# KiCad board Soldered Inkplate 6 FLICK.kicad_pcb (continued)
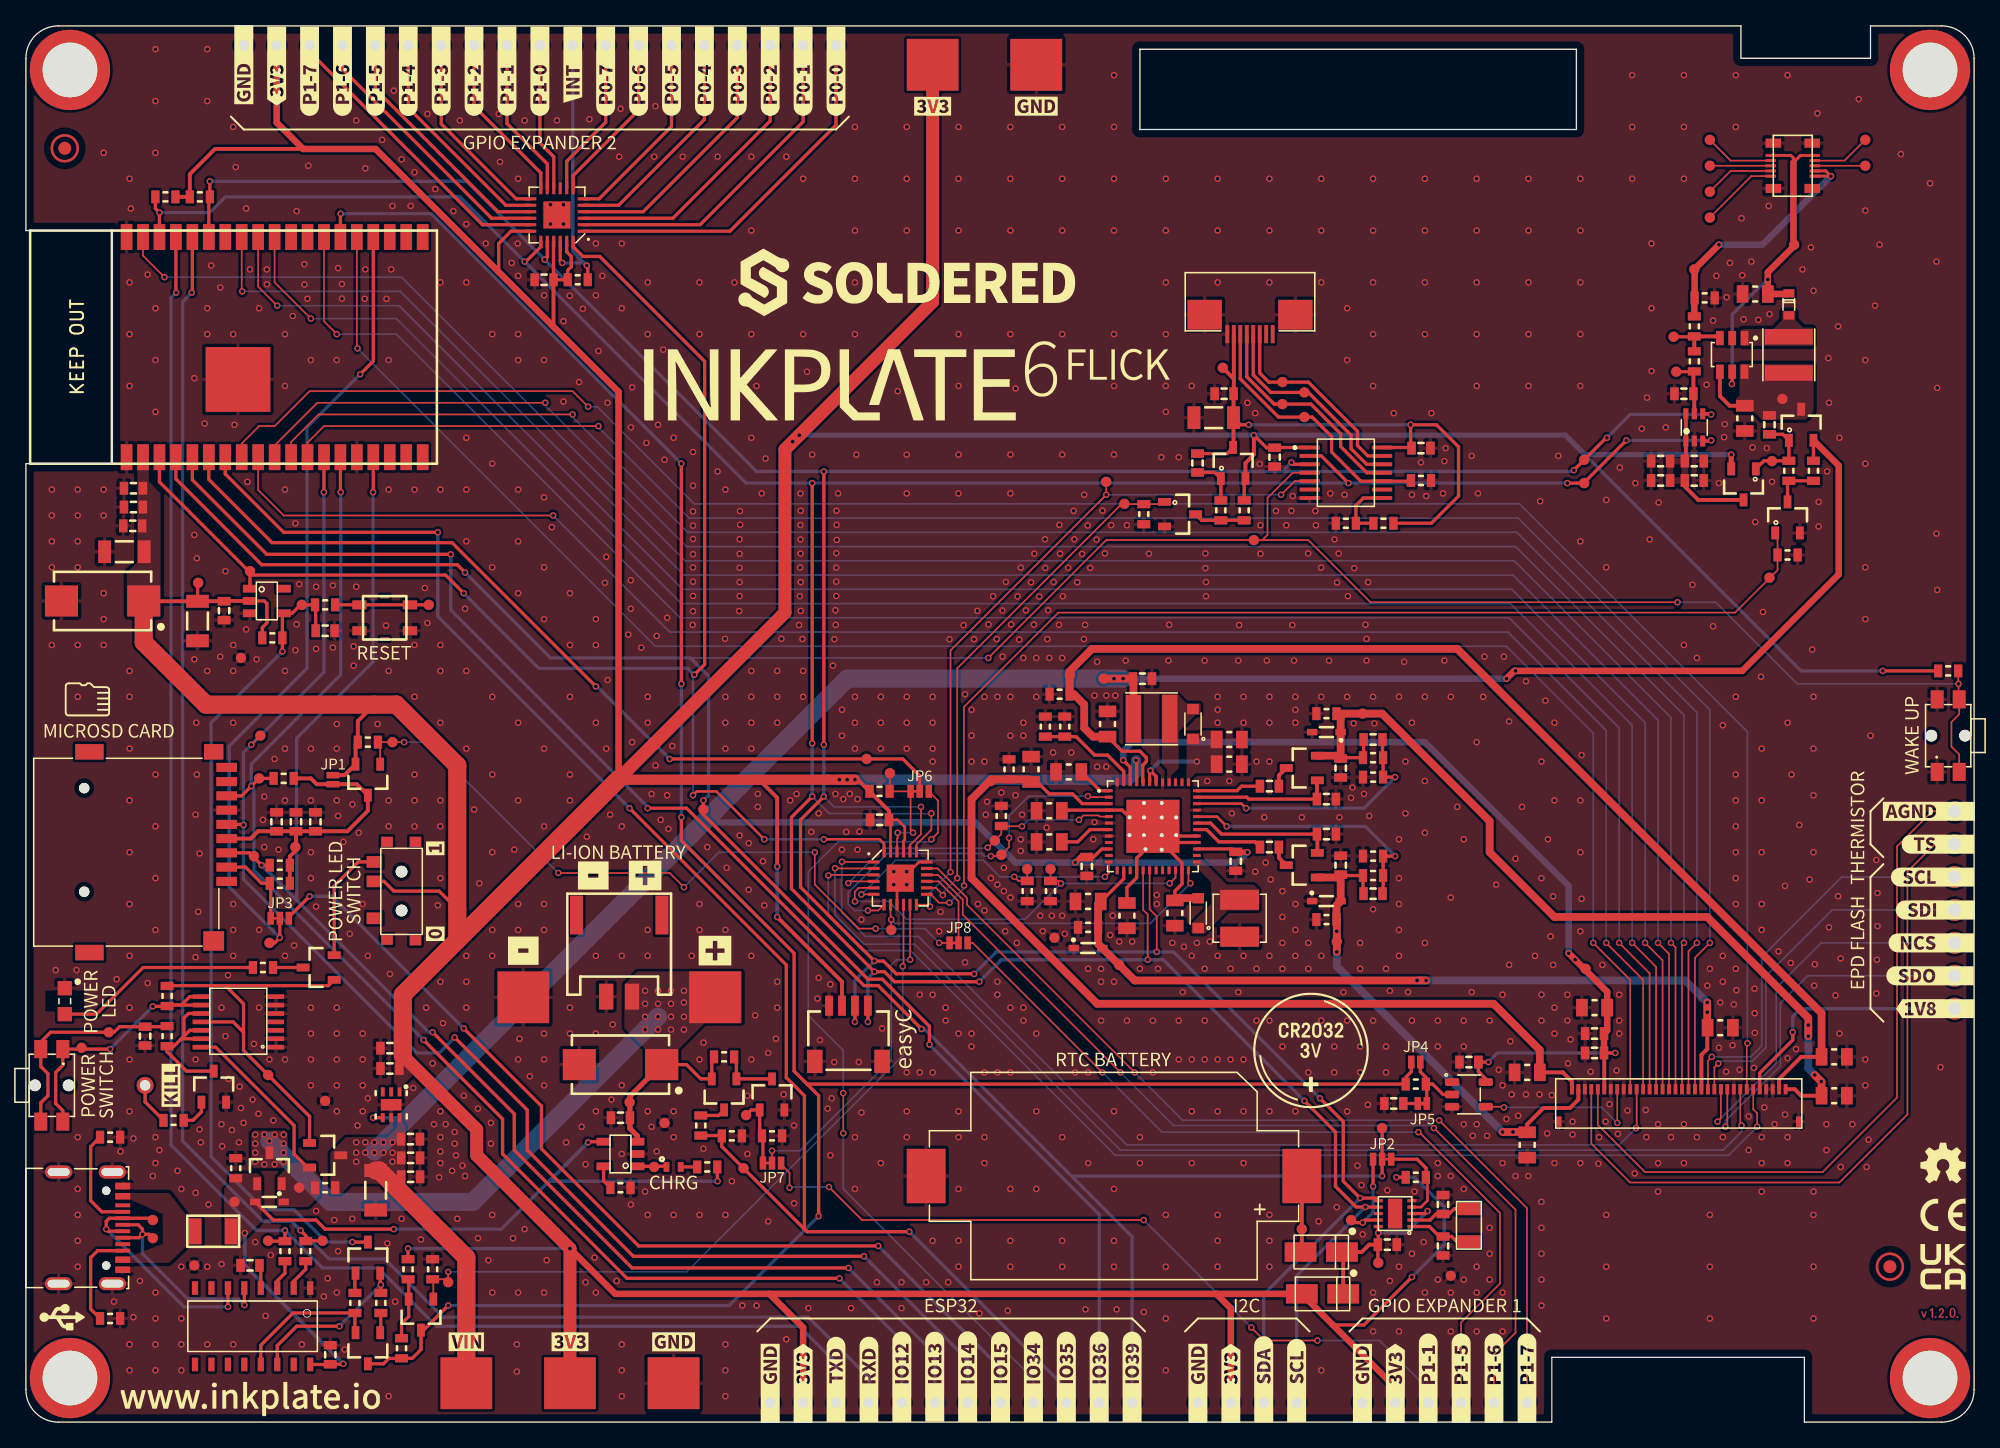
[diagram p0: board, top side]
## Footprints (pads in the part's own frame, mm; a bottom-side part is the same pattern mirrored in y, then rotated)
0402LED
  rect 0.45x0.75 smd: 1(-0.55,0) 2(0.55,0)
0603C
  rect 0.66x1 smd: 1(-0.73,0) 2(0.73,0)
0603R
  rect 0.64x1 smd: 1(-0.775,0) 2(0.775,0)
0805C
  rect 0.9x1.35 smd: 1(-0.975,0) 2(0.975,0)
1206C
  rect 1x1.75 smd: 1(-1.525,0) 2(1.525,0)
1206FUSE
  rect 1x2 smd: 1(-1.4,0) 2(1.4,0)
1515L
  rect 1.55x3 smd: 1(-1.425,0) 2(1.425,0)
2917C
  rect 2.55x2.4 smd: 1(-3.175,0) 2(3.175,0)
ABS07AIG-32.768KHZ-7-D-T
  rect 1x1.8 smd: 1(-1.275,0) 2(1.275,0)
AXT310124
  rect 0.23x0.8 smd: 1(-0.8,-1.7) 2(-0.8,1.7) 3(-0.4,-1.7) 4(-0.4,1.7) 5(0,-1.7) 6(0,1.7) 7(0.4,-1.7) 8(0.4,1.7) 9(0.8,-1.7) 10(0.8,1.7)
  rect 0.7x1.2 smd: 11(-1.75,1.5) 11(-1.75,-1.5) 11(1.75,1.5) 11(1.75,-1.5)
CR2032-BS-6-1
  rect 3x4.2 smd: +(14.5,0) -(-14.5,0)
easyC-connector
  rect 0.6x1.55 smd: 1(-1.5,-2.15) 2(-0.5,-2.15) 3(0.5,-2.15) 4(1.5,-2.15)
  rect 1.2x1.8 smd: 5(-2.6,2.15) 5(2.6,2.15)
ESP32-WROVER
  rect 2x0.9 smd: 1(-8.5,11.43) 2(-8.5,10.16) 3(-8.5,8.89) 4(-8.5,7.62) 5(-8.5,6.35) 6(-8.5,5.08) 7(-8.5,3.81) 8(-8.5,2.54) 9(-8.5,1.27) 10(-8.5,0) 11(-8.5,-1.27) 12(-8.5,-2.54) 13(-8.5,-3.81) 14(-8.5,-5.08) 15(-8.5,-6.35) 16(-8.5,-7.62) 17(-8.5,-8.89) 18(-8.5,-10.16) 19(-8.5,-11.43) 20(8.5,-11.43) 21(8.5,-10.16) 22(8.5,-8.89) 23(8.5,-7.62) 24(8.5,-6.35) 25(8.5,-5.08) 26(8.5,-3.81) 27(8.5,-2.54) 28(8.5,-1.27) 29(8.5,0) 30(8.5,1.27) 31(8.5,2.54) 32(8.5,3.81) 33(8.5,5.08) 34(8.5,6.35) 35(8.5,7.62) 36(8.5,8.89) 37(8.5,10.16) 38(8.5,11.43)
  rect 5x5 smd: 39(-2.5,2.83)
FH34SRJ-34S-0.5SH(50)
  rect 0.3x0.8 smd: 1(-8.25,0) 2(-7.75,0) 3(-7.25,0) 4(-6.75,0) 5(-6.25,0) 6(-5.75,0) 7(-5.25,0) 8(-4.75,0) 9(-4.25,0) 10(-3.75,0) 11(-3.25,0) 12(-2.75,0) 13(-2.25,0) 14(-1.75,0) 15(-1.25,0) 16(-0.75,0) 17(-0.25,0) 18(0.25,0) 19(0.75,0) 20(1.25,0) 21(1.75,0) 22(2.25,0) 23(2.75,0) 24(3.25,0) 25(3.75,0) 26(4.25,0) 27(4.75,0) 28(5.25,0) 29(5.75,0) 30(6.25,0) 31(6.75,0) 32(7.25,0) 33(7.75,0) 34(8.25,0)
  rect 0.4x0.8 smd: 35(-9.25,-2.5) 35(9.25,-2.5)
FIDUCIAL_23
  round 1 smd: 1(0,0)
HEADER_MALE_1X1_Inkplate
  round 1.3 hole 0.8: 1(0,0)
HEADER_MALE_2X1
  round 1.524 hole 1: 1(-1.27,0) 2(1.27,0)
HEADER_MALE_5X1
  round 1.7 hole 1: 1(-5.08,0) 2(-2.54,0) 3(0,0) 4(2.54,0) 5(5.08,0)
HYC77-TF09-200
  round 0.8 hole 1 unplated: (-4.95,-5.5) (3.05,-5.5)
  rect 0.7x1.6 smd: 1(2.25,5.5) 2(1.15,5.5) 3(0.05,5.5) 4(-1.05,5.5) 5(-2.15,5.5) 6(-3.25,5.5) 7(-4.35,5.5) 8(-5.45,5.5) CD(-6.55,5.5)
  rect 1.2x2.2 smd: 12(7.75,-5.1) MNT(-7.75,-5.1)
  rect 1.2x1.5 smd: MNT(-7.75,4.5)
  rect 1.5x1.6 smd: MNT(6.85,4.5)
JST-2pin-SMD
  rect 1x3 smd: (-3.3,3.15) (3.3,3.15)
  rect 1.1x2 smd: 1(1,-3.15) 2(-1,-3.15)
K2-1114SA-A4SW-06
  round 0.9 hole 0.9 unplated: (0,1.3) (0,-1.3)
  rect 1.4x1 smd: 1(-2.8,0.85) 1(2.8,0.85) 2(-2.8,-0.85) 2(2.8,-0.85)
LTST-S270GKT
  rect 1.1x1.1 smd: 1(-1,0) 2(1,0)
M4_DIODA
  rect 2.45x1.5 smd: 1(-1.6,0) 2(1.6,0)
MCP47A1-SOT23-6
  rect 0.85x0.4 smd: 1(-1.05,0.65) 2(-1.05,0) 3(-1.05,-0.65) 4(1.05,-0.65) 5(1.05,0) 6(1.05,0.65)
NR4012
  rect 1.2x3.7 smd: 1(-1.4,0) 2(1.4,0)
PAD_4x4
  rect 4x4 smd: 1(0,0)
PCAL6416AHF,128
  rect 0.9x0.24 smd: 1(-2.05,1.25) 2(-2.05,0.75) 3(-2.05,0.25) 4(-2.05,-0.25) 5(-2.05,-0.75) 6(-2.05,-1.25) 13(2.05,-1.25) 14(2.05,-0.75) 15(2.05,-0.25) 16(2.05,0.25) 17(2.05,0.75) 18(2.05,1.25)
  rect 0.24x0.9 smd: 7(-1.25,-2.05) 8(-0.75,-2.05) 9(-0.25,-2.05) 10(0.25,-2.05) 11(0.75,-2.05) 12(1.25,-2.05) 19(1.25,2.05) 20(0.75,2.05) 21(0.25,2.05) 22(-0.25,2.05) 23(-0.75,2.05) 24(-1.25,2.05)
  rect 2.1x2.1 smd: 25(0,0)
PCF85063A
  rect 1.1x2.3 smd: (0,0)
  rect 0.7x0.25 smd: 1(-1.3,1) 2(-1.3,0.5) 3(-1.3,0) 4(-1.3,-0.5) 5(-1.3,-1) 6(1.3,-1) 7(1.3,-0.5) 8(1.3,0) 9(1.3,0.5) 10(1.3,1)
SFV8R-1STBE1HLF
  rect 0.3x1.4 smd: 1(-1.75,0) 2(-1.25,0) 3(-0.75,0) 4(-0.25,0) 5(0.25,0) 6(0.75,0) 7(1.25,0) 8(1.75,0)
  rect 2.65x2.3 smd: 9(-3.5,-1.5) 9(3.5,-1.5)
SK-3296S-01-L1
  rect 0.9x1.2 smd: 1(2.1,-2.1) 2(-0.75,-2.1) 3(-2.25,-2.1)
  round 0.9 hole 0.9: MH1(-1.5,0) MH2(1.5,0)
  rect 0.8x0.9 smd: MP1(-3.8,-1.125) MP2(3.75,-1.125) MP3(3.8,1.075) MP4(-3.8,1.075)
SMD-JUMPER-CONNECTED_TRACE_SOLDERMASK
  rect 0.5x1 smd: 1(-0.35,0) 2(0.35,0)
SMD_JUMPER
  rect 0.5x1 smd: 1(-0.35,0) 2(0.35,0)
SMD_JUMPER_3_PAD_CONNECTED_LEFT_TRACE
  rect 0.5x1 smd: 1(-0.7,0) 3(0.7,0)
  custom 0.5x1 smd: 2(0,0)
SN74LVC1G34DBV
  rrect 1.1x0.6 smd: 1(-1.3,0.95) 2(-1.3,0) 3(-1.3,-0.95) 4(1.3,-0.95) 5(1.3,0.95)
SOD-323
  rect 0.8x0.5 smd: 1(1.1,0) 2(-1.1,0)
SOD-323#2
  rect 0.8x0.5 smd: 1(-1.1,0) 2(1.1,0)
SOD-323-2
  rect 0.8x0.9 smd: 1(-1.15,0) 2(1.15,0)
SOD-523
  rect 0.85x0.65 smd: 1(0,-0.85) 2(0,0.85)
SOP-16
  rect 1.05x0.48 smd: 1(-2.95,4.445) 2(-2.95,3.175) 3(-2.95,1.905) 4(-2.95,0.635) 5(-2.95,-0.635) 6(-2.95,-1.905) 7(-2.95,-3.175) 8(-2.95,-4.445) 9(2.95,-4.445) 10(2.95,-3.175) 11(2.95,-1.905) 12(2.95,-0.635) 13(2.95,0.635) 14(2.95,1.905) 15(2.95,3.175) 16(2.95,4.445)
SOT26
  rect 0.6x1.1 smd: 1(-0.95,-1.3) 2(0,-1.3) 3(0.95,-1.3) 4(0.95,1.3) 5(0,1.3) 6(-0.95,1.3)
SOT-23-3
  rect 1x0.6 smd: 1(-1.2,0.95) 2(-1.2,-0.95) 3(1.2,0)
SOT-23-3#2
  rect 1x0.6 smd: 1(1.2,-0.95) 2(1.2,0.95) 3(-1.2,0)
SOT-23-5
  rect 1.1x0.6 smd: 1(-1.3,0.95) 2(-1.3,0) 3(-1.3,-0.95) 4(1.3,-0.95) 5(1.3,0.95)
Standoff_M3
  round 6.2 hole 4.22: (0,0)
Test_Point_SMD_0.8mm
  round 0.8 smd: TP(0,0)
TPS7A2633DRVR
  rect 0.7x0.3 smd: 1(-0.995,0.65) 2(-0.995,0) 3(-0.995,-0.65) 4(0.995,-0.65) 5(0.995,0) 6(0.995,0.65)
  rect 0.89x1.6 smd: 5(0,0)
TSSOP-14
  rect 1.26x0.36 smd: 1(-2.9,1.95) 2(-2.9,1.3) 3(-2.9,0.65) 4(-2.9,0) 5(-2.9,-0.65) 6(-2.9,-1.3) 7(-2.9,-1.95) 8(2.9,-1.95) 9(2.9,-1.3) 10(2.9,-0.65) 11(2.9,0) 12(2.9,0.65) 13(2.9,1.3) 14(2.9,1.95)
TXS0104EPWR
  rect 1.55x0.3 smd: 1(-2.8,1.95) 2(-2.8,1.3) 3(-2.8,0.65) 4(-2.8,0) 5(-2.8,-0.65) 6(-2.8,-1.3) 7(-2.8,-1.95) 8(2.8,-1.95) 9(2.8,-1.3) 10(2.79,-0.65) 11(2.8,0) 12(2.8,0.65) 13(2.8,1.3) 14(2.8,1.95)
U262-161N-4BVC11
  round 0.65 hole 0.65 unplated: (-2.913,-3.2) (2.862,-3.2)
  rect 0.3x1.15 smd: A1(3.337,-4.475) A4(2.537,-4.475) A5(1.237,-4.475) A6(0.237,-4.475) A7(-0.263,-4.475) A8(-1.263,-4.475) A9(-2.563,-4.475) A12(-3.338,-4.475) B1(-3.138,-4.475) B4(-2.363,-4.475) B5(-1.763,-4.475) B6(-0.763,-4.475) B7(0.737,-4.475) B8(1.737,-4.475) B9(2.337,-4.475) B12(3.112,-4.475)
  oval 1x2.1 hole 0.6x1.7: SH(-4.313,0.475) SH(-4.313,-3.675) SH(4.312,0.475) SH(4.312,-3.675)
VQFN-49
  rect 0.6x0.24 smd: 1(-3.4,2.75) 2(-3.4,2.25) 3(-3.4,1.75) 4(-3.4,1.25) 5(-3.4,0.75) 6(-3.4,0.25) 7(-3.4,-0.25) 8(-3.4,-0.75) 9(-3.4,-1.25) 10(-3.4,-1.75) 11(-3.4,-2.25) 12(-3.4,-2.75) 25(3.4,-2.75) 26(3.4,-2.25) 27(3.4,-1.75) 28(3.4,-1.25) 29(3.4,-0.75) 30(3.4,-0.25) 31(3.4,0.25) 32(3.4,0.75) 33(3.4,1.25) 34(3.4,1.75) 35(3.4,2.25) 36(3.4,2.75)
  rect 0.24x0.6 smd: 13(-2.75,-3.4) 14(-2.25,-3.4) 15(-1.75,-3.4) 16(-1.25,-3.4) 17(-0.75,-3.4) 18(-0.25,-3.4) 19(0.25,-3.4) 20(0.75,-3.4) 21(1.25,-3.4) 22(1.75,-3.4) 23(2.25,-3.4) 24(2.75,-3.4) 37(2.75,3.4) 38(2.25,3.4) 39(1.75,3.4) 40(1.25,3.4) 41(0.75,3.4) 42(0.25,3.4) 43(-0.25,3.4) 44(-0.75,3.4) 45(-1.25,3.4) 46(-1.75,3.4) 47(-2.25,3.4) 48(-2.75,3.4)
  round 0.5 hole 0.3: 49(-1.8,0.685) 49(-1.8,-0.685) 49(-0.685,1.8) 49(-0.685,0.685) 49(-0.685,-0.685) 49(-0.57,-1.78) 49(0.685,1.8) 49(0.685,0.685) 49(0.685,-0.685) 49(0.685,-1.8) 49(1.8,0.685) 49(1.8,-0.685)
  rect 4.1x4.1 smd: 49(0,0)
YTSA007A0151803B
  rect 0.7x0.25 smd: (0,1.625) (0,-1.625)
  rect 1.1x0.7 smd: 1(-1.95,1) 1(1.95,1) 2(-1.95,-1) 2(1.95,-1)

## Nets
3V3: C24.2 C25.2 C34.2 C35.2 C42.2 C65.2 C66.2 C67.2 C68.2 C69.2 C70.1 C71.2 D11.1 JP1.2 K2.3 K3.1 K17.1 K41.1 K51.1 PAD2.1 PAD3.1 Q10.2 Q12.2 Q13.2 R3.2 R4.2 R20.2 R29.2 R40.1 R41.2 R44.2 R47.2 R59.1 R60.1 S1.2 TP9.TP TP24.TP TP65.TP U1.45 U3.2 U5.1 U8.1 U13.21 U13.23 U14.2 U15.18 U15.21 U15.23
3V3-EINK: C55.2 C62.1 C63.1 C64.2 K15.6 TP35.TP U1.46 U12.5
3V3_MICROSD: C38.2 C39.2 C40.2 JP1.1 K9.4 Q10.3 R42.2 R43.2 R45.2 TP52.TP
3V3_RTC: C41.2 D11.2 D12.2 TP71.TP U7.3 U7.10
3V3_TOUCH: C43.2 C44.1 C45.1 C53.2 K12.7 Q12.3 R49.2 TP32.TP U8.14
/POWER/VDDH_D: C20.2 D7.1 U1.35
/POWER/VDDH_DRV: C19.1 U1.36
/POWER/VDDH_FB: C16.1 R13.1 R14.2 U1.34
/POWER/VEE_D: C21.2 D6.2 U1.31
/POWER/VEE_DRV: C18.2 U1.30
/POWER/VEE_FB: C17.1 R15.1 R16.2 U1.32
AGND: K13.1 K15.5
GND: C1.1 C2.1 C3.1 C4.1 C5.1 C6.1 C7.1 C8.1 C9.2 C10.1 C11.2 C12.1 C13.1 C14.1 C15.1 C20.1 C21.1 C22.1 C23.1 C24.1 C25.1 C26.1 C27.1 C28.1 C29.1 C30.1 C31.1 C32.2 C33.1 C34.1 C35.1 C36.1 C37.1 C38.1 C39.1 C40.1 C41.1 C42.1 C44.2 C45.2 C46.2 C47.2 C48.2 C49.1 C50.1 C51.1 C53.1 C54.1 C55.1 C56.1 C57.1 C58.1 C59.1 C60.1 C61.1 C62.2 C63.2 C64.1 C65.1 C66.1 C67.1 C68.1 C69.1 C70.2 C71.1 D2.1 D3.2 D5.2 D8.2 K1.A1 K1.A12 K1.B1 K1.B12 K1.SH K2.4 K2.5 K6.1 K8.2 K9.6 K10.- K11.11 K12.8 K12.9 K15.3 K15.7 K15.9 K15.26 K15.31 K15.32 K15.35 K18.1 K42.1 K52.1 L1.1 PAD4.1 PAD5.1 PAD7.1 Q2.2 Q8.2 Q11.2 Q14.2 R1.1 R2.1 R5.2 R6.2 R7.2 R8.2 R9.2 R10.1 R11.1 R12.1 R14.1 R16.1 R17.2 R18.2 R19.1 R24.1 R28.1 R33.1 R39.2 R46.1 R50.2 R51.1 R54.1 R57.2 SW1.1 SW3.1 TP13.TP TP19.TP TP41.TP TP51.TP TP69.TP TP75.TP U1.6 U1.8 U1.33 U1.41 U1.48 U2.1 U3.3 U4.1 U4.2 U4.5 U4.6 U4.7 U5.5 U6.2 U7.5 U8.7 U9.2 U10.2 U12.3 U13.9 U13.18 U13.25 U14.1 U14.15 U14.38 U14.39 U15.9 U15.25
VBAT: C32.1 C33.2 K8.1 PAD6.1 Q3.2 Q7.3 R25.2 TP49.TP U6.3
VDDH: C14.2 C16.2 C60.2 D2.2 D7.2 K15.34 R10.2 R13.2 TP33.TP
VEE: C15.2 C17.2 C57.2 D5.1 D6.1 K15.2 R12.2 R15.2 TP27.TP
VIN: C5.2 C8.2 C10.2 C27.2 C28.2 C29.2 C30.2 L2.1 PAD1.1 Q9.3 Q15.2 R36.2 R52.2 TP10.TP TP23.TP U1.10 U1.27 U5.4 U5.6
VIN_BCK: C52.2 C54.2 L3.2 Q15.3 TP45.TP U10.4 U10.6
/CTRL & COMS/CH_RXD: R22.1 U2.3
/CTRL & COMS/CH_TXD: R23.1 U2.2
/CTRL & COMS/DTR: Q5.2 R30.2 U2.13
/CTRL & COMS/RTS: Q4.2 R31.2 U2.14
/MCU & GPIO Expanders/GPB_6: K21.1 U13.16
/MCU & GPIO Expanders/GPB_7: K22.1 U13.17
/POWER/INT_LDO: C4.2 U1.7
/POWER/TS: R1.2 R2.2 U1.47
/POWER/VB: C11.1 C12.2 D4.1 U1.37 U1.42 U1.43
/POWER/VB_SW: D4.2 L2.2 U1.40
/POWER/VN: C3.2 C7.2 C9.1 D1.2 U1.4 U1.16 U1.23 U1.28 U1.29 U1.49
/POWER/VN_SW: D1.1 L1.2 U1.25
/POWER/VREF: C1.2 U1.1
/SD_RTC_GPIO/X1: C36.2 U7.1 X1.1
/SD_RTC_GPIO/X2: C37.2 U7.2 X1.2
BCK_ANODE: C51.2 D13.2 K11.9 K11.10 TP44.TP U10.5
BCK_CATHODE: K11.1 K11.3 R54.2 R55.1 TP43.TP
BCK_MOS: C52.1 Q13.1 Q15.1 R53.2 TP46.TP
CHRG-LED: D10.2 TP50.TP U6.1
CLKOUT_RTC: JP3.3 TP74.TP U7.9
D+: K1.A6 K1.B6 TP18.TP U2.5
D-: K1.A7 K1.B7 TP17.TP U2.6
DAC_OUT: C49.2 R56.2 TP42.TP U9.5
EPD_CKV: K15.28 U14.8
EPD_CL: K15.8 U12.4
EPD_D0: K15.13 U14.26
EPD_D1: K15.14 U14.29
EPD_D2: K15.15 U14.30
EPD_D3: K15.16 U14.31
EPD_D4: K15.17 U14.37
EPD_D5: K15.18 U14.10
EPD_D6: K15.19 U14.11
EPD_D7: K15.20 U14.12
EPD_GMODE: K15.27 U13.2
EPD_LE: K15.10 U14.24
EPD_OE: K15.11 U13.1
EPD_SPH: K15.12 U14.9
EPD_SPV: K15.29 U13.3
EXP2_INT: K40.1 R60.2 U15.22
FRONTLIGHT_FB: R55.2 R56.1 TP48.TP U10.3
GPB3: Q14.1 R51.2 TP47.TP U13.13
GPB4: Q11.1 R46.2 TP22.TP U13.14
GPIO15: JP2.3 K39.1
GPIO_0: JP4.1 Q1.3 Q5.3 R21.1 R58.1 U14.25
GPIO_0_MOSFET: Q1.1 R19.2 TP14.TP U13.10
GPIO_36: K38.1 R41.1 SW3.2 TP20.TP TP70.TP U8.4 U14.4
GPIO_39: JP3.2 K37.1 TP73.TP U14.5
I2C_SCL: K2.1 K4.1 R3.1 TP7.TP U1.17 U7.7 U8.2 U9.3 U13.19 U14.36 U15.19
I2C_SCL_B: K12.3 TP28.TP U8.13
I2C_SDA: K2.2 K5.1 R4.1 TP8.TP U1.18 U7.6 U8.3 U9.4 U13.20 U14.33 U15.20
I2C_SDA_B: K12.4 TP29.TP U8.12
INT: TP39.TP U1.2 U13.7
INTB: JP6.1 R59.2 TP59.TP U13.22
IO34: JP6.2 TP58.TP U14.6
MANUAL_RST: C26.2 Q4.3 R26.2 R29.1 TP67.TP U3.4
PWR-SW-A: R35.1 SW2.1 TP62.TP U4.8 U4.9
PWR-SW-B: C31.2 R37.1 SW2.2 TP63.TP
PWR_GOOD: TP40.TP U1.24 U13.8
PWRUP: R7.1 TP36.TP U1.22 U13.5
RST: TP66.TP U3.1 U13.24 U14.3 U15.24
RST-SW: R26.1 SW1.2 TP68.TP
RTC-BATT: D12.1 K10.+ TP72.TP
RXD: K23.1 R23.2 TP15.TP U14.34
SD_ENABLE: JP7.1 Q10.1 R40.2 TP53.TP
SPI_CS: JP2.2 TP54.TP U14.23
SPI_MISO: K9.7 K25.1 R45.1 TP57.TP U14.14
SPI_MOSI: K9.3 K26.1 R43.1 TP55.TP U14.16
SPI_SCK: K9.5 K24.1 TP56.TP U14.13
SW_IN: D9.2 Q7.2 Q9.2 R36.1 TP12.TP U4.14
SW_OUT_D: Q6.1 Q9.1 R35.2 TP64.TP U4.11
TOUCH_INT_B: K12.5 TP30.TP U8.11
TOUCH_RESET: TP21.TP U8.5 U13.12
TOUCH_RESET_B: K12.6 R57.1 TP31.TP U8.10
TS: K13.2 K15.4
TXD: K20.1 R22.2 TP16.TP U14.35
V_BAT: K19.1 R27.1 R28.2 TP61.TP U14.7
V_BAT_MOS: JP8.1 Q2.1 R24.2 TP60.TP
VCOM: C6.2 C58.2 D3.1 K15.21 R11.2 TP34.TP U1.14
VCOM_CTRL: R6.1 TP38.TP U1.12 U13.6
VNEG: C2.2 C56.2 K15.1 R8.1 TP25.TP U1.3
VPOS: C13.2 C59.2 K15.33 R9.1 TP26.TP U1.44
VUSB: C22.2 D9.1 F1.1 Q7.1 R33.2 R38.1 TP11.TP U2.16 U6.4
WAKEUP: R5.1 TP37.TP U1.5 U13.4
Net-(C18-Pad1): C18.1 D6.3
Net-(C19-Pad2): C19.2 D7.3
Net-(C23-Pad2): C23.2 U2.4
Net-(C43-Pad1): C43.1 Q12.1 R48.1
Net-(C46-Pad1): C46.1 C47.1 C48.1 C50.2 Q13.3 U9.1 U9.6
Net-(C61-Pad2): C61.2 JP5.1
Net-(D8-Pad1): D8.1 R32.2
Net-(D10-Pad1): D10.1 R38.2
Net-(D13-Pad1): D13.1 L3.1 U10.1
Net-(F1-Pad2): F1.2 K1.A4 K1.A9 K1.B4 K1.B9
Net-(JP2-Pad1): JP2.1 K9.2 R42.1
Net-(JP3-Pad1): JP3.1 R44.1 U7.4
Net-(JP4-Pad2): JP4.2 JP5.2 R58.2 U12.2
Net-(JP6-Pad3): JP6.3 K16.1
Net-(JP7-Pad2): JP7.2 U13.15
Net-(JP7-Pad3): JP7.3 K27.1
Net-(JP8-Pad2): JP8.2 U13.11
Net-(JP8-Pad3): JP8.3 K28.1
Net-(K1-PadA5): K1.A5 R18.1
Net-(K1-PadB5): K1.B5 R17.1
Net-(K7-Pad1): K7.1 R34.2
Net-(K11-Pad2): K11.2 TP1.TP
Net-(K11-Pad4): K11.4 TP2.TP
Net-(K11-Pad5): K11.5 TP3.TP
Net-(K11-Pad6): K11.6 TP4.TP
Net-(K11-Pad7): K11.7 TP5.TP
Net-(K11-Pad8): K11.8 TP6.TP
Net-(K14-Pad1): K14.1 K15.30
Net-(K14-Pad2): K14.2 K15.25
Net-(K14-Pad3): K14.3 K15.24
Net-(K14-Pad4): K14.4 K15.23
Net-(K14-Pad5): K14.5 K15.22
Net-(K29-Pad1): K29.1 U15.1
Net-(K30-Pad1): K30.1 U15.2
Net-(K31-Pad1): K31.1 U15.3
Net-(K32-Pad1): K32.1 U15.4
Net-(K33-Pad1): K33.1 U15.5
Net-(K34-Pad1): K34.1 U15.6
Net-(K35-Pad1): K35.1 U15.7
Net-(K36-Pad1): K36.1 U15.8
Net-(K43-Pad1): K43.1 U15.10
Net-(K44-Pad1): K44.1 U15.11
Net-(K45-Pad1): K45.1 U15.12
Net-(K46-Pad1): K46.1 U15.13
Net-(K47-Pad1): K47.1 U15.14
Net-(K48-Pad1): K48.1 U15.15
Net-(K49-Pad1): K49.1 U15.16
Net-(K50-Pad1): K50.1 U15.17
Net-(Q1-Pad2): Q1.2 R20.1 R21.2
Net-(Q2-Pad3): Q2.3 Q3.1 R25.1
Net-(Q3-Pad3): Q3.3 R27.2
Net-(Q4-Pad1): Q4.1 R30.1
Net-(Q5-Pad1): Q5.1 R31.1
Net-(Q6-Pad2): Q6.2 S1.3
Net-(Q6-Pad3): Q6.3 R32.1
Net-(Q8-Pad1): Q8.1 R34.1
Net-(Q8-Pad3): Q8.3 R37.2 U4.10 U4.12 U4.13
Net-(Q11-Pad3): Q11.3 R47.1 R48.2
Net-(Q14-Pad3): Q14.3 R52.1 R53.1
Net-(R39-Pad1): R39.1 U6.5
Net-(R49-Pad1): R49.1 R50.1 U8.8

Pads without a net: FD1 1; FD2 1; K1 A8 B8; K9 1 8 12 CD MNT; K12 1 2; S1 1 MH1 MH2 MP1 MP2 MP3 MP4; U1 9 11 13 15 19 20 21 26 38 39; U2 7 8 9 10 11 12 15; U3 5; U4 3 4; U5 2 3; U7 8; U8 6 9; U12 1; U14 17 18 19 20 21 22 27 28 32

## Via types
v1: diameter 0.5, hole 0.3, Top to Bottom, 1579 vias

## Routing (per net, layer and track width the routed paths; a pad name or vN(x,y) marks a point on that pad's centre or on a via; arc(x,y) is an arc through that point)
3V3: length 609.6
  Top w0.2: U13.23 66.75,46.38 C65.2 67.3,46.5 67.85,45.95 67.85,44.97 67.75,44.87 U13.21
  Top w0.254: U8.1 96.82,75.25 96.8,75.23 ; S1.2 27.65,41.75 28.4,41 31.9,41 33.3,39.6 ; C24.2 13.25,63.38 13.25,64.75 TP65.TP ; U1.45 85.75,51.05 v1(85.7,51.1) ; U15.21 40.73,91.13 C71.2 R60.1 41.83,88.92 42.1,89.2 42.1,90 41.75,90.35 U15.23 ; R20.2 v1(29.5,13.4) ; C42.2 95.77,75.23 v1(94.8,76.2) ; R29.2 18.25,61.35 18.6,61.7 18.6,63.2 18.4,63.4 U3.2 ; 9.12,63.38 C70.1 ; R47.2 94.05,72.75 Q12.2 ; v1(107,11.2) 103.3,7.5 100.9,7.5 ; v1(143.35,58) R41.2 ; 36.5,88.8 36.5,91 37.45,91.95 U15.18 ; 15.32,63.4 C25.2 ; v1(105.8,18.9) R44.2
  Top w0.3: C24.2 9.12,63.38 ; v1(94.8,76.2) 94.8,74.7 94.15,74.05 Q12.2 ; C65.2 66.63,47.19 64.22,49.6 v1(64,49.6) ; 21.4,98.3 14.6,98.3 12.66,96.35 R4.2 R3.2 ; JP1.2 24.6,49.95 Q10.2 25.45,52.33 R40.1 25.62,54.12 26.9,55.4 ; U3.2 15.32,63.4 ; v1(58,39) 63,34 K2.3 ; C25.2 13.25,63.38 ; v1(58,42.9) 58,48.2 56.6,49.6 ; 40.73,84.57 C71.2
  Top w0.4: v1(131.65,74.7) Q13.2
  Top w0.5: 57.4,9.9 45.5,9.9 v1(42,13.4) ; 57.4,9.9 91.9,9.9 ; 57.4,9.9 60,7.3 K17.1 ; 91.9,9.9 D11.1 105.72,2.68 K41.1 ; 91.9,9.9 93.02,8.78 K3.1 ; 45.75,49.65 45.75,79.55 27,98.3 21.4,98.3 19.36,100.34 K51.1
  Top w0.8: 45.75,49.65 45.8,49.6 v1(64,49.6)
  Top w1: 45.75,49.65 58.6,62.5 58.6,75.1 v1(59.7,76.2) 70,86.5 PAD2.1 ; PAD3.1 v1(42,13.4) 34.8,20.6 34.8,22.6 29.1,28.3
  Top w1.4: 29.1,28.3 29.1,33 33.3,37.2 ; C70.1 9.09,60.2 13.9,55.4 28.6,55.4 33.3,50.7 33.3,37.2 ; 33.3,37.2 45.75,49.65
  Bottom w0.254: v1(42,13.4) v1(29.5,13.4) ; v1(143.35,58) 137.05,58 120.35,74.7 ; v1(107,11.2) 109.5,13.7 109.5,16.6 107.2,18.9 v1(105.8,18.9)
  Bottom w0.3: v1(58,39) v1(58,42.9)
  Bottom w0.4: v1(131.65,74.7) 120.35,74.7 118.85,76.2 v1(94.8,76.2) v1(59.7,76.2) v1(59.2,75.7)
  Bottom w0.8: v1(85.7,51.1) 85.7,50.1 85.2,49.6 v1(62.8,49.6)
  vias: v1(63.4,49.6)
3V3-EINK: length 73.2
  Top w0.254: v1(84.71,51.11) 85.25,50.57 U1.46 ; U12.5 112.7,26.5 112.13,27.07 C64.2 v1(112.9,27.8) ; v1(122.7,28.5) C63.1
  Top w0.3: C63.1 121.85,28.48 K15.6
  Top w0.5: v1(119.1,36.2) 122.07,33.22 C55.2 122.07,30.25 C62.1 C63.1
  Bottom w0.254: 85.3,52.4 85.4,52.5 ; v1(112.9,27.8) 113.6,28.5 v1(122.7,28.5)
  Bottom w0.5: 85.4,52.5 108,52.5 119.1,41.4 v1(119.1,36.2) v1(119.6,35.7) ; 85.3,52.4 84.71,51.81 v1(84.71,51.11)
3V3_MICROSD: length 23.5
  Top w0.3: C40.2 C38.2 24.82,45.62 26.4,47.2 Q10.3 25.55,49.25 JP1.1 22.45,49.25 22,49.7 R45.2 ; C40.2 C39.2 17.92,45.62 17.35,45.05 K9.4 ; C40.2 20.85,44.15 20.38,43.67 R43.2 R42.2
3V3_RTC: length 14.9
  Top w0.254: v1(108.21,16.29) 108.02,16.1 U7.3 ; U7.10 104.4,13.73 C41.2 104.37,12.33 TP71.TP
  Top w0.3: D11.2 101.7,13.03 D12.2 103.13,13.13 103.7,13.7 C41.2
  Bottom w0.254: v1(104.4,14.6) 106.52,14.6 v1(108.21,16.29)
3V3_TOUCH: length 45.2
  Top w0.127: 93.25,80.55 93.25,80.45
  Top w0.254: U8.14 106.92,75.25 C45.1 106.9,75.27 v1(106.9,77) 108.9,77 110.6,75.3 110.6,71.5 108.5,69.4 R49.2 ; 93.23,77.56 C44.1 93.78,77 v1(94.4,77) ; 93.25,79.42 C53.2 ; Q12.3 93.22,75.28 92.73,74.78 C43.2